# Altium PCB top_1.PcbDoc (part 4 of 5) (continued)
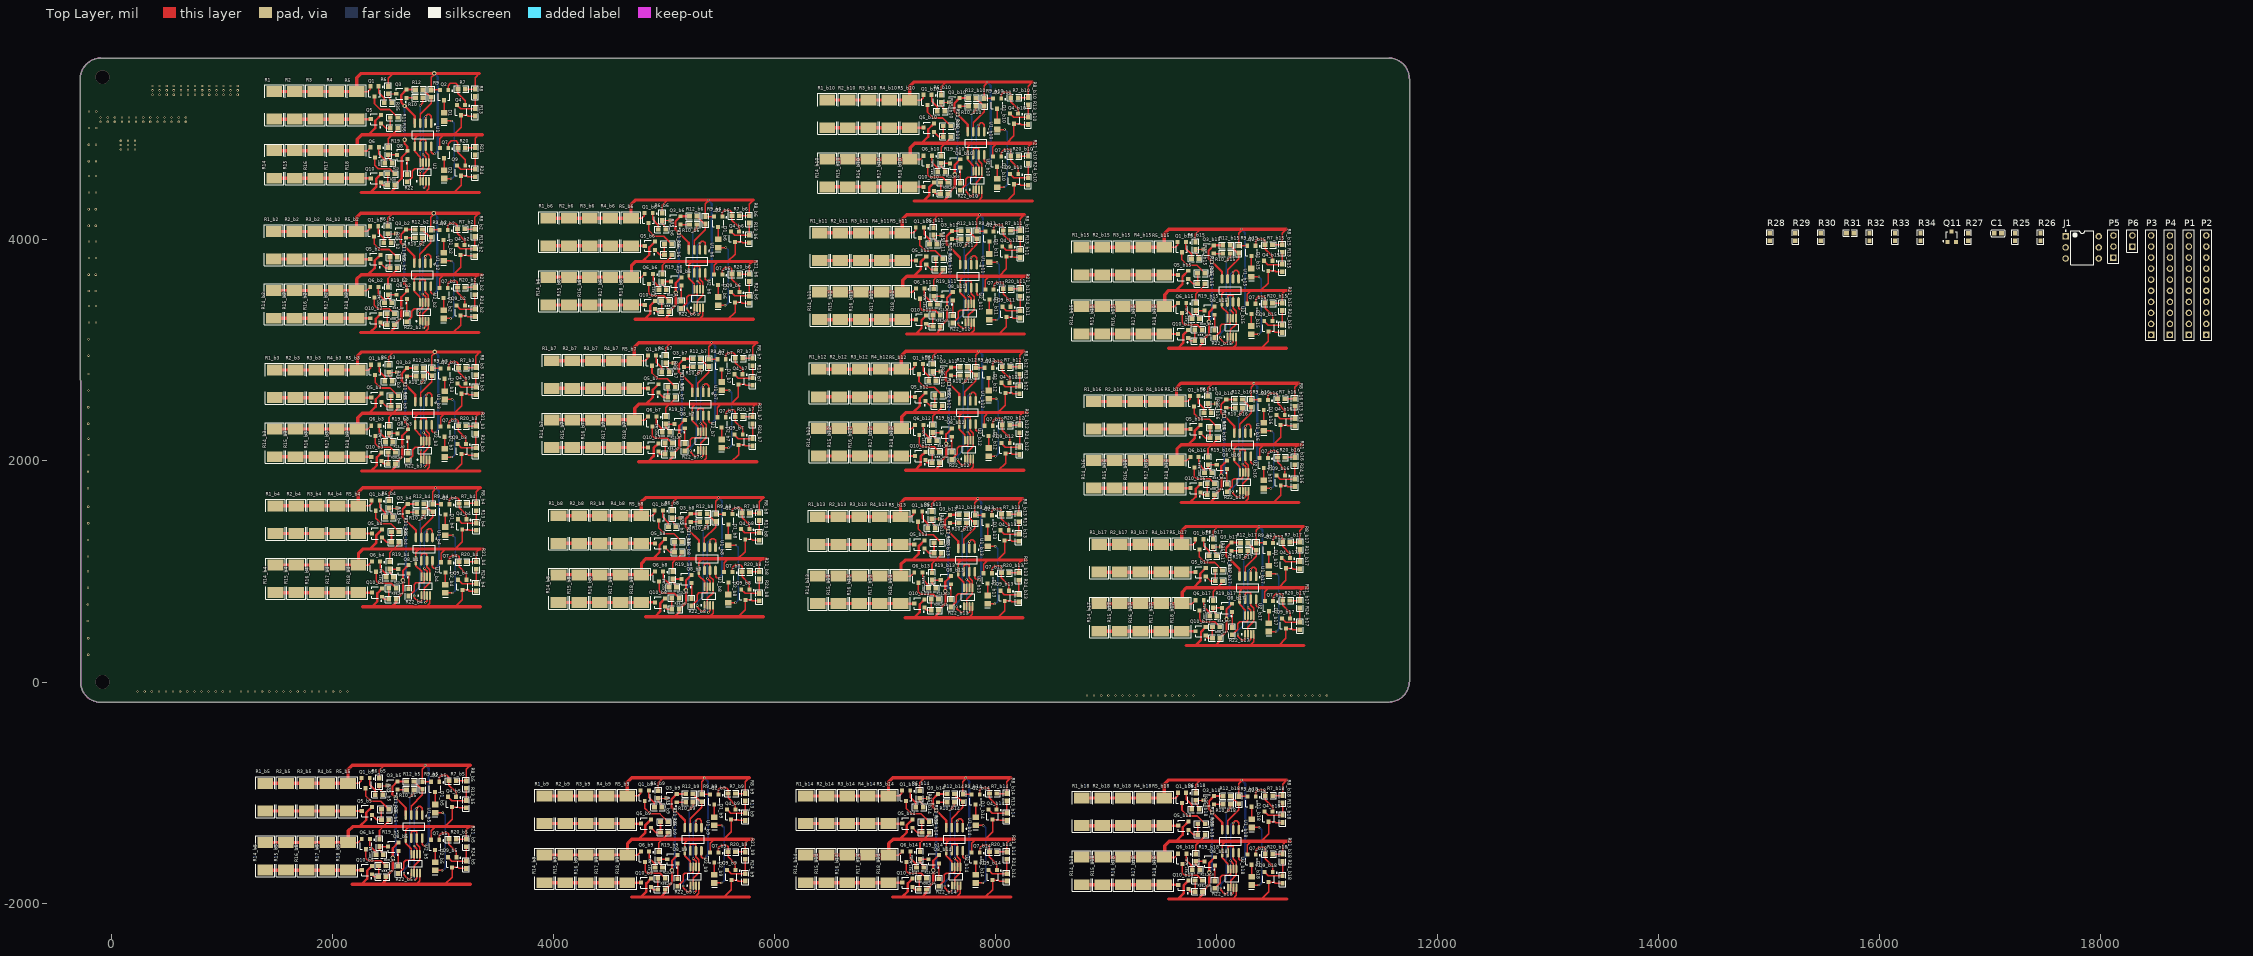
[diagram p0: Top Layer view]
## Nets (pads, with @x,y where several pads share a name; then routed paths per layer and width w, separated by ;. In a path a pad name is that pad's centre, name@x,y a point inside that pad or via, vN(x,y) a via of type N, cw(c..) or ccw(c..) an arc to the next point about the centre after c; other vN are vias at no path point) (continued)
  Top Layer w12: Q1_b12.1@7346.94,2877.72 7346.94,2818.53 7397.54,2767.93 R35_b12.2@7397.54,2727.46
NetQ1_b12_3: Q1_b12.3 R11_b12.2 | length 327.3
  Top Layer w15: Q1_b12.3@7309.54,2785.2 7309.54,2718.93 7361,2667.46 7447.46,2667.46 R11_b12.2@7519.46,2595.46
NetQ1_b13_1: Q1_b13.1 R35_b13.2 | length 171.2
  Top Layer w12: Q1_b13.1@7338.94,1542.72 7338.94,1483.53 7389.54,1432.93 R35_b13.2@7389.54,1392.46
NetQ1_b13_3: Q1_b13.3 R11_b13.2 | length 327.3
  Top Layer w15: Q1_b13.3@7301.54,1450.2 7301.54,1383.93 7353,1332.46 7439.46,1332.46 R11_b13.2@7511.46,1260.46
NetQ1_b14_1: Q1_b14.1 R35_b14.2 | length 171.2
  Top Layer w12: Q1_b14.1@7229.94,-983.28 7229.94,-1042.47 7280.54,-1093.07 R35_b14.2@7280.54,-1133.54
NetQ1_b14_3: Q1_b14.3 R11_b14.2 | length 327.3
  Top Layer w15: Q1_b14.3@7192.54,-1075.8 7192.54,-1142.07 7244,-1193.54 7330.46,-1193.54 R11_b14.2@7402.46,-1265.54
NetQ1_b15_1: Q1_b15.1 R35_b15.2 | length 171.2
  Top Layer w12: Q1_b15.1@9724.94,3981.72 9724.94,3922.53 9775.54,3871.93 R35_b15.2@9775.54,3831.46
NetQ1_b15_3: Q1_b15.3 R11_b15.2 | length 327.3
  Top Layer w15: Q1_b15.3@9687.54,3889.2 9687.54,3822.93 9739,3771.46 9825.46,3771.46 R11_b15.2@9897.46,3699.46
NetQ1_b16_1: Q1_b16.1 R35_b16.2 | length 171.2
  Top Layer w12: Q1_b16.1@9836.94,2586.72 9836.94,2527.53 9887.54,2476.93 R35_b16.2@9887.54,2436.46
NetQ1_b16_3: Q1_b16.3 R11_b16.2 | length 327.3
  Top Layer w15: Q1_b16.3@9799.54,2494.2 9799.54,2427.93 9851,2376.46 9937.46,2376.46 R11_b16.2@10009.46,2304.46
NetQ1_b17_1: Q1_b17.1 R35_b17.2 | length 171.2
  Top Layer w12: Q1_b17.1@9883.94,1291.72 9883.94,1232.53 9934.54,1181.93 R35_b17.2@9934.54,1141.46
NetQ1_b17_3: Q1_b17.3 R11_b17.2 | length 327.3
  Top Layer w15: Q1_b17.3@9846.54,1199.2 9846.54,1132.93 9898,1081.46 9984.46,1081.46 R11_b17.2@10056.46,1009.46
NetQ1_b18_1: Q1_b18.1 R35_b18.2 | length 171.2
  Top Layer w12: Q1_b18.1@9726.94,-1002.28 9726.94,-1061.47 9777.54,-1112.07 R35_b18.2@9777.54,-1152.54
NetQ1_b18_3: Q1_b18.3 R11_b18.2 | length 327.3
  Top Layer w15: Q1_b18.3@9689.54,-1094.8 9689.54,-1161.07 9741,-1212.54 9827.46,-1212.54 R11_b18.2@9899.46,-1284.54
NetQ2_1: Q2.1 Q4.1 R7.1 | length 346.7
  Top Layer w12: Q2.1@3049.4,5357.26 3049.4,5397.4 3068,5416 3119,5416 3136.54,5398.46 R7.1@3136.54,5365 3136.54,5326.66 3202.4,5260.79 Q4.1@3202.4,5221.26
NetQ2_b2_1: Q2_b2.1 Q4_b2.1 R7_b2.1 | length 346.7
  Top Layer w12: Q2_b2.1@3045.4,4091.26 3045.4,4131.4 3064,4150 3115,4150 3132.54,4132.46 R7_b2.1@3132.54,4099 3132.54,4060.66 3198.4,3994.79 Q4_b2.1@3198.4,3955.26
NetQ2_b3_1: Q2_b3.1 Q4_b3.1 R7_b3.1 | length 346.7
  Top Layer w12: Q2_b3.1@3054.4,2837.26 3054.4,2877.4 3073,2896 3124,2896 3141.54,2878.46 R7_b3.1@3141.54,2845 3141.54,2806.66 3207.4,2740.79 Q4_b3.1@3207.4,2701.26
NetQ2_b4_1: Q2_b4.1 Q4_b4.1 R7_b4.1 | length 346.7
  Top Layer w12: Q2_b4.1@3060.4,1608.26 3060.4,1648.4 3079,1667 3130,1667 3147.54,1649.46 R7_b4.1@3147.54,1616 3147.54,1577.66 3213.4,1511.79 Q4_b4.1@3213.4,1472.26
NetQ2_b5_1: Q2_b5.1 Q4_b5.1 R7_b5.1 | length 346.7
  Top Layer w12: Q2_b5.1@2968.4,-902.74 2968.4,-862.6 2987,-844 3038,-844 3055.54,-861.54 R7_b5.1@3055.54,-895 3055.54,-933.34 3121.4,-999.21 Q4_b5.1@3121.4,-1038.74
NetQ2_b6_1: Q2_b6.1 Q4_b6.1 R7_b6.1 | length 346.7
  Top Layer w12: Q2_b6.1@5529.4,4211.26 5529.4,4251.4 5548,4270 5599,4270 5616.54,4252.46 R7_b6.1@5616.54,4219 5616.54,4180.66 5682.4,4114.79 Q4_b6.1@5682.4,4075.26
NetQ2_b7_1: Q2_b7.1 Q4_b7.1 R7_b7.1 | length 346.7
  Top Layer w12: Q2_b7.1@5560.4,2921.26 5560.4,2961.4 5579,2980 5630,2980 5647.54,2962.46 R7_b7.1@5647.54,2929 5647.54,2890.66 5713.4,2824.79 Q4_b7.1@5713.4,2785.26
NetQ2_b8_1: Q2_b8.1 Q4_b8.1 R7_b8.1 | length 346.7
  Top Layer w12: Q2_b8.1@5621.4,1519.26 5621.4,1559.4 5640,1578 5691,1578 5708.54,1560.46 R7_b8.1@5708.54,1527 5708.54,1488.66 5774.4,1422.79 Q4_b8.1@5774.4,1383.26
NetQ2_b9_1: Q2_b9.1 Q4_b9.1 R7_b9.1 | length 346.7
  Top Layer w12: Q2_b9.1@5494.4,-1016.74 5494.4,-976.6 5513,-958 5564,-958 5581.54,-975.54 R7_b9.1@5581.54,-1009 5581.54,-1047.34 5647.4,-1113.21 Q4_b9.1@5647.4,-1152.74
NetQ2_b10_1: Q2_b10.1 Q4_b10.1 R7_b10.1 | length 346.7
  Top Layer w12: Q2_b10.1@8053.4,5280.26 8053.4,5320.4 8072,5339 8123,5339 8140.54,5321.46 R7_b10.1@8140.54,5288 8140.54,5249.66 8206.4,5183.79 Q4_b10.1@8206.4,5144.26
NetQ2_b11_1: Q2_b11.1 Q4_b11.1 R7_b11.1 | length 346.7
  Top Layer w12: Q2_b11.1@7984.4,4078.26 7984.4,4118.4 8003,4137 8054,4137 8071.54,4119.46 R7_b11.1@8071.54,4086 8071.54,4047.66 8137.4,3981.79 Q4_b11.1@8137.4,3942.26
NetQ2_b12_1: Q2_b12.1 Q4_b12.1 R7_b12.1 | length 346.7
  Top Layer w12: Q2_b12.1@7976.4,2844.26 7976.4,2884.4 7995,2903 8046,2903 8063.54,2885.46 R7_b12.1@8063.54,2852 8063.54,2813.66 8129.4,2747.79 Q4_b12.1@8129.4,2708.26
NetQ2_b13_1: Q2_b13.1 Q4_b13.1 R7_b13.1 | length 346.7
  Top Layer w12: Q2_b13.1@7968.4,1509.26 7968.4,1549.4 7987,1568 8038,1568 8055.54,1550.46 R7_b13.1@8055.54,1517 8055.54,1478.66 8121.4,1412.79 Q4_b13.1@8121.4,1373.26
NetQ2_b14_1: Q2_b14.1 Q4_b14.1 R7_b14.1 | length 346.7
  Top Layer w12: Q2_b14.1@7859.4,-1016.74 7859.4,-976.6 7878,-958 7929,-958 7946.54,-975.54 R7_b14.1@7946.54,-1009 7946.54,-1047.34 8012.4,-1113.21 Q4_b14.1@8012.4,-1152.74
NetQ2_b15_1: Q2_b15.1 Q4_b15.1 R7_b15.1 | length 346.7
  Top Layer w12: Q2_b15.1@10354.4,3948.26 10354.4,3988.4 10373,4007 10424,4007 10441.54,3989.46 R7_b15.1@10441.54,3956 10441.54,3917.66 10507.4,3851.79 Q4_b15.1@10507.4,3812.26
NetQ2_b16_1: Q2_b16.1 Q4_b16.1 R7_b16.1 | length 346.7
  Top Layer w12: Q2_b16.1@10466.4,2553.26 10466.4,2593.4 10485,2612 10536,2612 10553.54,2594.46 R7_b16.1@10553.54,2561 10553.54,2522.66 10619.4,2456.79 Q4_b16.1@10619.4,2417.26
NetQ2_b17_1: Q2_b17.1 Q4_b17.1 R7_b17.1 | length 346.7
  Top Layer w12: Q2_b17.1@10513.4,1258.26 10513.4,1298.4 10532,1317 10583,1317 10600.54,1299.46 R7_b17.1@10600.54,1266 10600.54,1227.66 10666.4,1161.79 Q4_b17.1@10666.4,1122.26
NetQ2_b18_1: Q2_b18.1 Q4_b18.1 R7_b18.1 | length 346.7
  Top Layer w12: Q2_b18.1@10356.4,-1035.74 10356.4,-995.6 10375,-977 10426,-977 10443.54,-994.54 R7_b18.1@10443.54,-1028 10443.54,-1066.34 10509.4,-1132.21 Q4_b18.1@10509.4,-1171.74
NetQ3_1: Q3.1 R10.1 | length 80.9
  Top Layer w12: Q3.1@2672.13,5286 R10.1@2753,5286
NetQ3_3: Q3.3 R6.1 R35.1 | length 169
  Top Layer w10: R35.1@2537.46,5240.46 2537.46,5262 2506.4,5293.06 2506.4,5323.4 Q3.3@2579.61,5323.4
NetQ3_b2_1: Q3_b2.1 R10_b2.1 | length 80.9
  Top Layer w12: Q3_b2.1@2668.13,4020 R10_b2.1@2749,4020
NetQ3_b2_3: Q3_b2.3 R6_b2.1 R35_b2.1 | length 169
  Top Layer w10: R35_b2.1@2533.46,3974.46 2533.46,3996 2502.4,4027.06 2502.4,4057.4 Q3_b2.3@2575.61,4057.4
NetQ3_b3_1: Q3_b3.1 R10_b3.1 | length 80.9
  Top Layer w12: Q3_b3.1@2677.13,2766 R10_b3.1@2758,2766
NetQ3_b3_3: Q3_b3.3 R6_b3.1 R35_b3.1 | length 169
  Top Layer w10: R35_b3.1@2542.46,2720.46 2542.46,2742 2511.4,2773.06 2511.4,2803.4 Q3_b3.3@2584.61,2803.4
NetQ3_b4_1: Q3_b4.1 R10_b4.1 | length 80.9
  Top Layer w12: Q3_b4.1@2683.13,1537 R10_b4.1@2764,1537
NetQ3_b4_3: Q3_b4.3 R6_b4.1 R35_b4.1 | length 169
  Top Layer w10: R35_b4.1@2548.46,1491.46 2548.46,1513 2517.4,1544.06 2517.4,1574.4 Q3_b4.3@2590.61,1574.4
NetQ3_b5_1: Q3_b5.1 R10_b5.1 | length 80.9
  Top Layer w12: Q3_b5.1@2591.13,-974 R10_b5.1@2672,-974
NetQ3_b5_3: Q3_b5.3 R6_b5.1 R35_b5.1 | length 169
  Top Layer w10: R35_b5.1@2456.46,-1019.54 2456.46,-998 2425.4,-966.94 2425.4,-936.6 Q3_b5.3@2498.61,-936.6
NetQ3_b6_1: Q3_b6.1 R10_b6.1 | length 80.9
  Top Layer w12: Q3_b6.1@5152.13,4140 R10_b6.1@5233,4140
NetQ3_b6_3: Q3_b6.3 R6_b6.1 R35_b6.1 | length 169
  Top Layer w10: R35_b6.1@5017.46,4094.46 5017.46,4116 4986.4,4147.06 4986.4,4177.4 Q3_b6.3@5059.61,4177.4
NetQ3_b7_1: Q3_b7.1 R10_b7.1 | length 80.9
  Top Layer w12: Q3_b7.1@5183.13,2850 R10_b7.1@5264,2850
NetQ3_b7_3: Q3_b7.3 R6_b7.1 R35_b7.1 | length 169
  Top Layer w10: R35_b7.1@5048.46,2804.46 5048.46,2826 5017.4,2857.06 5017.4,2887.4 Q3_b7.3@5090.61,2887.4
NetQ3_b8_1: Q3_b8.1 R10_b8.1 | length 80.9
  Top Layer w12: Q3_b8.1@5244.13,1448 R10_b8.1@5325,1448
NetQ3_b8_3: Q3_b8.3 R6_b8.1 R35_b8.1 | length 169
  Top Layer w10: R35_b8.1@5109.46,1402.46 5109.46,1424 5078.4,1455.06 5078.4,1485.4 Q3_b8.3@5151.61,1485.4
NetQ3_b9_1: Q3_b9.1 R10_b9.1 | length 80.9
  Top Layer w12: Q3_b9.1@5117.13,-1088 R10_b9.1@5198,-1088
NetQ3_b9_3: Q3_b9.3 R6_b9.1 R35_b9.1 | length 169
  Top Layer w10: R35_b9.1@4982.46,-1133.54 4982.46,-1112 4951.4,-1080.94 4951.4,-1050.6 Q3_b9.3@5024.61,-1050.6
NetQ3_b10_1: Q3_b10.1 R10_b10.1 | length 80.9
  Top Layer w12: Q3_b10.1@7676.13,5209 R10_b10.1@7757,5209
NetQ3_b10_3: Q3_b10.3 R6_b10.1 R35_b10.1 | length 169
  Top Layer w10: R35_b10.1@7541.46,5163.46 7541.46,5185 7510.4,5216.06 7510.4,5246.4 Q3_b10.3@7583.61,5246.4
NetQ3_b11_1: Q3_b11.1 R10_b11.1 | length 80.9
  Top Layer w12: Q3_b11.1@7607.13,4007 R10_b11.1@7688,4007
NetQ3_b11_3: Q3_b11.3 R6_b11.1 R35_b11.1 | length 169
  Top Layer w10: R35_b11.1@7472.46,3961.46 7472.46,3983 7441.4,4014.06 7441.4,4044.4 Q3_b11.3@7514.61,4044.4
NetQ3_b12_1: Q3_b12.1 R10_b12.1 | length 80.9
  Top Layer w12: Q3_b12.1@7599.13,2773 R10_b12.1@7680,2773
NetQ3_b12_3: Q3_b12.3 R6_b12.1 R35_b12.1 | length 169
  Top Layer w10: R35_b12.1@7464.46,2727.46 7464.46,2749 7433.4,2780.06 7433.4,2810.4 Q3_b12.3@7506.61,2810.4
NetQ3_b13_1: Q3_b13.1 R10_b13.1 | length 80.9
  Top Layer w12: Q3_b13.1@7591.13,1438 R10_b13.1@7672,1438
NetQ3_b13_3: Q3_b13.3 R6_b13.1 R35_b13.1 | length 169
  Top Layer w10: R35_b13.1@7456.46,1392.46 7456.46,1414 7425.4,1445.06 7425.4,1475.4 Q3_b13.3@7498.61,1475.4
NetQ3_b14_1: Q3_b14.1 R10_b14.1 | length 80.9
  Top Layer w12: Q3_b14.1@7482.13,-1088 R10_b14.1@7563,-1088
NetQ3_b14_3: Q3_b14.3 R6_b14.1 R35_b14.1 | length 169
  Top Layer w10: R35_b14.1@7347.46,-1133.54 7347.46,-1112 7316.4,-1080.94 7316.4,-1050.6 Q3_b14.3@7389.61,-1050.6
NetQ3_b15_1: Q3_b15.1 R10_b15.1 | length 80.9
  Top Layer w12: Q3_b15.1@9977.13,3877 R10_b15.1@10058,3877
NetQ3_b15_3: Q3_b15.3 R6_b15.1 R35_b15.1 | length 169
  Top Layer w10: R35_b15.1@9842.46,3831.46 9842.46,3853 9811.4,3884.06 9811.4,3914.4 Q3_b15.3@9884.61,3914.4
NetQ3_b16_1: Q3_b16.1 R10_b16.1 | length 80.9
  Top Layer w12: Q3_b16.1@10089.13,2482 R10_b16.1@10170,2482
NetQ3_b16_3: Q3_b16.3 R6_b16.1 R35_b16.1 | length 169
  Top Layer w10: R35_b16.1@9954.46,2436.46 9954.46,2458 9923.4,2489.06 9923.4,2519.4 Q3_b16.3@9996.61,2519.4
NetQ3_b17_1: Q3_b17.1 R10_b17.1 | length 80.9
  Top Layer w12: Q3_b17.1@10136.13,1187 R10_b17.1@10217,1187
NetQ3_b17_3: Q3_b17.3 R6_b17.1 R35_b17.1 | length 169
  Top Layer w10: R35_b17.1@10001.46,1141.46 10001.46,1163 9970.4,1194.06 9970.4,1224.4 Q3_b17.3@10043.61,1224.4
NetQ3_b18_1: Q3_b18.1 R10_b18.1 | length 80.9
  Top Layer w12: Q3_b18.1@9979.13,-1107 R10_b18.1@10060,-1107
NetQ3_b18_3: Q3_b18.3 R6_b18.1 R35_b18.1 | length 169
  Top Layer w10: R35_b18.1@9844.46,-1152.54 9844.46,-1131 9813.4,-1099.94 9813.4,-1069.6 Q3_b18.3@9886.61,-1069.6
NetQ4_2: Q4.2 R8.1 R13.2 | length 290.8
  Top Layer w12: Q4.2@3127.6,5221.26 3162.3,5186.56 3292,5186.56 R13.2@3292,5188.46 R8.1@3292,5298.54
NetQ4_b2_2: Q4_b2.2 R8_b2.1 R13_b2.2 | length 290.8
  Top Layer w12: Q4_b2.2@3123.6,3955.26 3158.3,3920.56 3288,3920.56 R13_b2.2@3288,3922.46 R8_b2.1@3288,4032.54
NetQ4_b3_2: Q4_b3.2 R8_b3.1 R13_b3.2 | length 290.8
  Top Layer w12: Q4_b3.2@3132.6,2701.26 3167.3,2666.56 3297,2666.56 R13_b3.2@3297,2668.46 R8_b3.1@3297,2778.54
NetQ4_b4_2: Q4_b4.2 R8_b4.1 R13_b4.2 | length 290.8
  Top Layer w12: Q4_b4.2@3138.6,1472.26 3173.3,1437.56 3303,1437.56 R13_b4.2@3303,1439.46 R8_b4.1@3303,1549.54
NetQ4_b5_2: Q4_b5.2 R8_b5.1 R13_b5.2 | length 290.8
  Top Layer w12: Q4_b5.2@3046.6,-1038.74 3081.3,-1073.44 3211,-1073.44 R13_b5.2@3211,-1071.54 R8_b5.1@3211,-961.46
NetQ4_b6_2: Q4_b6.2 R8_b6.1 R13_b6.2 | length 290.8
  Top Layer w12: Q4_b6.2@5607.6,4075.26 5642.3,4040.56 5772,4040.56 R13_b6.2@5772,4042.46 R8_b6.1@5772,4152.54
NetQ4_b7_2: Q4_b7.2 R8_b7.1 R13_b7.2 | length 290.8
  Top Layer w12: Q4_b7.2@5638.6,2785.26 5673.3,2750.56 5803,2750.56 R13_b7.2@5803,2752.46 R8_b7.1@5803,2862.54
NetQ4_b8_2: Q4_b8.2 R8_b8.1 R13_b8.2 | length 290.8
  Top Layer w12: Q4_b8.2@5699.6,1383.26 5734.3,1348.56 5864,1348.56 R13_b8.2@5864,1350.46 R8_b8.1@5864,1460.54
NetQ4_b9_2: Q4_b9.2 R8_b9.1 R13_b9.2 | length 290.8
  Top Layer w12: Q4_b9.2@5572.6,-1152.74 5607.3,-1187.44 5737,-1187.44 R13_b9.2@5737,-1185.54 R8_b9.1@5737,-1075.46
NetQ4_b10_2: Q4_b10.2 R8_b10.1 R13_b10.2 | length 290.8
  Top Layer w12: Q4_b10.2@8131.6,5144.26 8166.3,5109.56 8296,5109.56 R13_b10.2@8296,5111.46 R8_b10.1@8296,5221.54
NetQ4_b11_2: Q4_b11.2 R8_b11.1 R13_b11.2 | length 290.8
  Top Layer w12: Q4_b11.2@8062.6,3942.26 8097.3,3907.56 8227,3907.56 R13_b11.2@8227,3909.46 R8_b11.1@8227,4019.54
NetQ4_b12_2: Q4_b12.2 R8_b12.1 R13_b12.2 | length 290.8
  Top Layer w12: Q4_b12.2@8054.6,2708.26 8089.3,2673.56 8219,2673.56 R13_b12.2@8219,2675.46 R8_b12.1@8219,2785.54
NetQ4_b13_2: Q4_b13.2 R8_b13.1 R13_b13.2 | length 290.8
  Top Layer w12: Q4_b13.2@8046.6,1373.26 8081.3,1338.56 8211,1338.56 R13_b13.2@8211,1340.46 R8_b13.1@8211,1450.54
NetQ4_b14_2: Q4_b14.2 R8_b14.1 R13_b14.2 | length 290.8
  Top Layer w12: Q4_b14.2@7937.6,-1152.74 7972.3,-1187.44 8102,-1187.44 R13_b14.2@8102,-1185.54 R8_b14.1@8102,-1075.46
NetQ4_b15_2: Q4_b15.2 R8_b15.1 R13_b15.2 | length 290.8
  Top Layer w12: Q4_b15.2@10432.6,3812.26 10467.3,3777.56 10597,3777.56 R13_b15.2@10597,3779.46 R8_b15.1@10597,3889.54
NetQ4_b16_2: Q4_b16.2 R8_b16.1 R13_b16.2 | length 290.8
  Top Layer w12: Q4_b16.2@10544.6,2417.26 10579.3,2382.56 10709,2382.56 R13_b16.2@10709,2384.46 R8_b16.1@10709,2494.54
NetQ4_b17_2: Q4_b17.2 R8_b17.1 R13_b17.2 | length 290.8
  Top Layer w12: Q4_b17.2@10591.6,1122.26 10626.3,1087.56 10756,1087.56 R13_b17.2@10756,1089.46 R8_b17.1@10756,1199.54
NetQ4_b18_2: Q4_b18.2 R8_b18.1 R13_b18.2 | length 290.8
  Top Layer w12: Q4_b18.2@10434.6,-1171.74 10469.3,-1206.44 10599,-1206.44 R13_b18.2@10599,-1204.54 R8_b18.1@10599,-1094.46
NetQ5_1: Q5.1 R11.1 R36.2 | length 199.1
  Top Layer w15: Q5.1@2440.26,5055.6 2483.39,5012.46 R36.2@2525.54,5012.46 R11.1@2525.54,5108.46
NetQ5_3: Q5.3 R1.1 R2.1 R3.1 R4.1 R5.1 | length 872.7
  Top Layer w22: R5.1@2223,5093 Q5.3@2347.74,5093
  Top Layer w30: R1.1@1475,5093 R2.1@1662,5093 R3.1@1849,5093 R4.1@2036,5093 R5.1@2223,5093
NetQ5_b2_1: Q5_b2.1 R11_b2.1 R36_b2.2 | length 199.1
  Top Layer w15: Q5_b2.1@2436.26,3789.6 2479.39,3746.46 R36_b2.2@2521.54,3746.46 R11_b2.1@2521.54,3842.46
NetQ5_b2_3: Q5_b2.3 R1_b2.1 R2_b2.1 R3_b2.1 R4_b2.1 R5_b2.1 | length 872.7
  Top Layer w22: R5_b2.1@2219,3827 Q5_b2.3@2343.74,3827
  Top Layer w30: R1_b2.1@1471,3827 R2_b2.1@1658,3827 R3_b2.1@1845,3827 R4_b2.1@2032,3827 R5_b2.1@2219,3827
NetQ5_b3_1: Q5_b3.1 R11_b3.1 R36_b3.2 | length 199.1
  Top Layer w15: Q5_b3.1@2445.26,2535.6 2488.39,2492.46 R36_b3.2@2530.54,2492.46 R11_b3.1@2530.54,2588.46
NetQ5_b3_3: Q5_b3.3 R1_b3.1 R2_b3.1 R3_b3.1 R4_b3.1 R5_b3.1 | length 872.7
  Top Layer w22: R5_b3.1@2228,2573 Q5_b3.3@2352.74,2573
  Top Layer w30: R1_b3.1@1480,2573 R2_b3.1@1667,2573 R3_b3.1@1854,2573 R4_b3.1@2041,2573 R5_b3.1@2228,2573
NetQ5_b4_1: Q5_b4.1 R11_b4.1 R36_b4.2 | length 199.1
  Top Layer w15: Q5_b4.1@2451.26,1306.6 2494.39,1263.46 R36_b4.2@2536.54,1263.46 R11_b4.1@2536.54,1359.46
NetQ5_b4_3: Q5_b4.3 R1_b4.1 R2_b4.1 R3_b4.1 R4_b4.1 R5_b4.1 | length 872.7
  Top Layer w22: R5_b4.1@2234,1344 Q5_b4.3@2358.74,1344
  Top Layer w30: R1_b4.1@1486,1344 R2_b4.1@1673,1344 R3_b4.1@1860,1344 R4_b4.1@2047,1344 R5_b4.1@2234,1344
NetQ5_b5_1: Q5_b5.1 R11_b5.1 R36_b5.2 | length 199.1
  Top Layer w15: Q5_b5.1@2359.26,-1204.4 2402.39,-1247.54 R36_b5.2@2444.54,-1247.54 R11_b5.1@2444.54,-1151.54
NetQ5_b5_3: Q5_b5.3 R1_b5.1 R2_b5.1 R3_b5.1 R4_b5.1 R5_b5.1 | length 872.7
  Top Layer w22: R5_b5.1@2142,-1167 Q5_b5.3@2266.74,-1167
  Top Layer w30: R1_b5.1@1394,-1167 R2_b5.1@1581,-1167 R3_b5.1@1768,-1167 R4_b5.1@1955,-1167 R5_b5.1@2142,-1167
NetQ5_b6_1: Q5_b6.1 R11_b6.1 R36_b6.2 | length 199.1
  Top Layer w15: Q5_b6.1@4920.26,3909.6 4963.39,3866.46 R36_b6.2@5005.54,3866.46 R11_b6.1@5005.54,3962.46
NetQ5_b6_3: Q5_b6.3 R1_b6.1 R2_b6.1 R3_b6.1 R4_b6.1 R5_b6.1 | length 872.7
  Top Layer w22: R5_b6.1@4703,3947 Q5_b6.3@4827.74,3947
  Top Layer w30: R1_b6.1@3955,3947 R2_b6.1@4142,3947 R3_b6.1@4329,3947 R4_b6.1@4516,3947 R5_b6.1@4703,3947
NetQ5_b7_1: Q5_b7.1 R11_b7.1 R36_b7.2 | length 199.1
  Top Layer w15: Q5_b7.1@4951.26,2619.6 4994.39,2576.46 R36_b7.2@5036.54,2576.46 R11_b7.1@5036.54,2672.46
NetQ5_b7_3: Q5_b7.3 R1_b7.1 R2_b7.1 R3_b7.1 R4_b7.1 R5_b7.1 | length 872.7
  Top Layer w22: R5_b7.1@4734,2657 Q5_b7.3@4858.74,2657
  Top Layer w30: R1_b7.1@3986,2657 R2_b7.1@4173,2657 R3_b7.1@4360,2657 R4_b7.1@4547,2657 R5_b7.1@4734,2657
NetQ5_b8_1: Q5_b8.1 R11_b8.1 R36_b8.2 | length 199.1
  Top Layer w15: Q5_b8.1@5012.26,1217.6 5055.39,1174.46 R36_b8.2@5097.54,1174.46 R11_b8.1@5097.54,1270.46
NetQ5_b8_3: Q5_b8.3 R1_b8.1 R2_b8.1 R3_b8.1 R4_b8.1 R5_b8.1 | length 872.7
  Top Layer w22: R5_b8.1@4795,1255 Q5_b8.3@4919.74,1255
  Top Layer w30: R1_b8.1@4047,1255 R2_b8.1@4234,1255 R3_b8.1@4421,1255 R4_b8.1@4608,1255 R5_b8.1@4795,1255
NetQ5_b9_1: Q5_b9.1 R11_b9.1 R36_b9.2 | length 199.1
  Top Layer w15: Q5_b9.1@4885.26,-1318.4 4928.39,-1361.54 R36_b9.2@4970.54,-1361.54 R11_b9.1@4970.54,-1265.54
NetQ5_b9_3: Q5_b9.3 R1_b9.1 R2_b9.1 R3_b9.1 R4_b9.1 R5_b9.1 | length 872.7
  Top Layer w22: R5_b9.1@4668,-1281 Q5_b9.3@4792.74,-1281
  Top Layer w30: R1_b9.1@3920,-1281 R2_b9.1@4107,-1281 R3_b9.1@4294,-1281 R4_b9.1@4481,-1281 R5_b9.1@4668,-1281
NetQ5_b10_1: Q5_b10.1 R11_b10.1 R36_b10.2 | length 199.1
  Top Layer w15: Q5_b10.1@7444.26,4978.6 7487.39,4935.46 R36_b10.2@7529.54,4935.46 R11_b10.1@7529.54,5031.46
NetQ5_b10_3: Q5_b10.3 R1_b10.1 R2_b10.1 R3_b10.1 R4_b10.1 R5_b10.1 | length 872.7
  Top Layer w22: R5_b10.1@7227,5016 Q5_b10.3@7351.74,5016
  Top Layer w30: R1_b10.1@6479,5016 R2_b10.1@6666,5016 R3_b10.1@6853,5016 R4_b10.1@7040,5016 R5_b10.1@7227,5016
NetQ5_b11_1: Q5_b11.1 R11_b11.1 R36_b11.2 | length 199.1
  Top Layer w15: Q5_b11.1@7375.26,3776.6 7418.39,3733.46 R36_b11.2@7460.54,3733.46 R11_b11.1@7460.54,3829.46
NetQ5_b11_3: Q5_b11.3 R1_b11.1 R2_b11.1 R3_b11.1 R4_b11.1 R5_b11.1 | length 872.7
  Top Layer w22: R5_b11.1@7158,3814 Q5_b11.3@7282.74,3814
  Top Layer w30: R1_b11.1@6410,3814 R2_b11.1@6597,3814 R3_b11.1@6784,3814 R4_b11.1@6971,3814 R5_b11.1@7158,3814
NetQ5_b12_1: Q5_b12.1 R11_b12.1 R36_b12.2 | length 199.1
  Top Layer w15: Q5_b12.1@7367.26,2542.6 7410.39,2499.46 R36_b12.2@7452.54,2499.46 R11_b12.1@7452.54,2595.46
NetQ5_b12_3: Q5_b12.3 R1_b12.1 R2_b12.1 R3_b12.1 R4_b12.1 R5_b12.1 | length 872.7
  Top Layer w22: R5_b12.1@7150,2580 Q5_b12.3@7274.74,2580
  Top Layer w30: R1_b12.1@6402,2580 R2_b12.1@6589,2580 R3_b12.1@6776,2580 R4_b12.1@6963,2580 R5_b12.1@7150,2580
NetQ5_b13_1: Q5_b13.1 R11_b13.1 R36_b13.2 | length 199.1
  Top Layer w15: Q5_b13.1@7359.26,1207.6 7402.39,1164.46 R36_b13.2@7444.54,1164.46 R11_b13.1@7444.54,1260.46
NetQ5_b13_3: Q5_b13.3 R1_b13.1 R2_b13.1 R3_b13.1 R4_b13.1 R5_b13.1 | length 872.7
  Top Layer w22: R5_b13.1@7142,1245 Q5_b13.3@7266.74,1245
  Top Layer w30: R1_b13.1@6394,1245 R2_b13.1@6581,1245 R3_b13.1@6768,1245 R4_b13.1@6955,1245 R5_b13.1@7142,1245
NetQ5_b14_1: Q5_b14.1 R11_b14.1 R36_b14.2 | length 199.1
  Top Layer w15: Q5_b14.1@7250.26,-1318.4 7293.39,-1361.54 R36_b14.2@7335.54,-1361.54 R11_b14.1@7335.54,-1265.54
NetQ5_b14_3: Q5_b14.3 R1_b14.1 R2_b14.1 R3_b14.1 R4_b14.1 R5_b14.1 | length 872.7
  Top Layer w22: R5_b14.1@7033,-1281 Q5_b14.3@7157.74,-1281
  Top Layer w30: R1_b14.1@6285,-1281 R2_b14.1@6472,-1281 R3_b14.1@6659,-1281 R4_b14.1@6846,-1281 R5_b14.1@7033,-1281
NetQ5_b15_1: Q5_b15.1 R11_b15.1 R36_b15.2 | length 199.1
  Top Layer w15: Q5_b15.1@9745.26,3646.6 9788.39,3603.46 R36_b15.2@9830.54,3603.46 R11_b15.1@9830.54,3699.46
NetQ5_b15_3: Q5_b15.3 R1_b15.1 R2_b15.1 R3_b15.1 R4_b15.1 R5_b15.1 | length 872.7
  Top Layer w22: R5_b15.1@9528,3684 Q5_b15.3@9652.74,3684
  Top Layer w30: R1_b15.1@8780,3684 R2_b15.1@8967,3684 R3_b15.1@9154,3684 R4_b15.1@9341,3684 R5_b15.1@9528,3684
NetQ5_b16_1: Q5_b16.1 R11_b16.1 R36_b16.2 | length 199.1
  Top Layer w15: Q5_b16.1@9857.26,2251.6 9900.39,2208.46 R36_b16.2@9942.54,2208.46 R11_b16.1@9942.54,2304.46
NetQ5_b16_3: Q5_b16.3 R1_b16.1 R2_b16.1 R3_b16.1 R4_b16.1 R5_b16.1 | length 872.7
  Top Layer w22: R5_b16.1@9640,2289 Q5_b16.3@9764.74,2289
  Top Layer w30: R1_b16.1@8892,2289 R2_b16.1@9079,2289 R3_b16.1@9266,2289 R4_b16.1@9453,2289 R5_b16.1@9640,2289
NetQ5_b17_1: Q5_b17.1 R11_b17.1 R36_b17.2 | length 199.1
  Top Layer w15: Q5_b17.1@9904.26,956.6 9947.39,913.46 R36_b17.2@9989.54,913.46 R11_b17.1@9989.54,1009.46
NetQ5_b17_3: Q5_b17.3 R1_b17.1 R2_b17.1 R3_b17.1 R4_b17.1 R5_b17.1 | length 872.7
  Top Layer w22: R5_b17.1@9687,994 Q5_b17.3@9811.74,994
  Top Layer w30: R1_b17.1@8939,994 R2_b17.1@9126,994 R3_b17.1@9313,994 R4_b17.1@9500,994 R5_b17.1@9687,994
NetQ5_b18_1: Q5_b18.1 R11_b18.1 R36_b18.2 | length 199.1
  Top Layer w15: Q5_b18.1@9747.26,-1337.4 9790.39,-1380.54 R36_b18.2@9832.54,-1380.54 R11_b18.1@9832.54,-1284.54
NetQ5_b18_3: Q5_b18.3 R1_b18.1 R2_b18.1 R3_b18.1 R4_b18.1 R5_b18.1 | length 872.7
  Top Layer w22: R5_b18.1@9530,-1300 Q5_b18.3@9654.74,-1300
  Top Layer w30: R1_b18.1@8782,-1300 R2_b18.1@8969,-1300 R3_b18.1@9156,-1300 R4_b18.1@9343,-1300 R5_b18.1@9530,-1300
NetQ6_1: Q6.1 R37.2 | length 165.8
  Top Layer w12: Q6.1@2422.4,4839.26 2422.4,4778.06 2475.54,4724.93 R37.2@2475.54,4695.46
NetQ6_3: Q6.3 R23.2 | length 286.9
  Top Layer w12: Q6.3@2385,4746.74 2385,4674 2415.54,4643.46 2521.46,4643.46 R23.2@2567.46,4597.46
NetQ6_b2_1: Q6_b2.1 R37_b2.2 | length 165.8
  Top Layer w12: Q6_b2.1@2418.4,3573.26 2418.4,3512.06 2471.54,3458.93 R37_b2.2@2471.54,3429.46
NetQ6_b2_3: Q6_b2.3 R23_b2.2 | length 286.9
  Top Layer w12: Q6_b2.3@2381,3480.74 2381,3408 2411.54,3377.46 2517.46,3377.46 R23_b2.2@2563.46,3331.46
NetQ6_b3_1: Q6_b3.1 R37_b3.2 | length 165.8
  Top Layer w12: Q6_b3.1@2427.4,2319.26 2427.4,2258.06 2480.54,2204.93 R37_b3.2@2480.54,2175.46
NetQ6_b3_3: Q6_b3.3 R23_b3.2 | length 286.9
  Top Layer w12: Q6_b3.3@2390,2226.74 2390,2154 2420.54,2123.46 2526.46,2123.46 R23_b3.2@2572.46,2077.46
NetQ6_b4_1: Q6_b4.1 R37_b4.2 | length 165.8
  Top Layer w12: Q6_b4.1@2433.4,1090.26 2433.4,1029.06 2486.54,975.93 R37_b4.2@2486.54,946.46
NetQ6_b4_3: Q6_b4.3 R23_b4.2 | length 293.1
  Top Layer w12: Q6_b4.3@2396,997.74 2396,914.46 2416,894.46 2532.46,894.46 R23_b4.2@2578.46,848.46
NetQ6_b5_1: Q6_b5.1 R37_b5.2 | length 165.8
  Top Layer w12: Q6_b5.1@2341.4,-1420.74 2341.4,-1481.94 2394.54,-1535.07 R37_b5.2@2394.54,-1564.54
NetQ6_b5_3: Q6_b5.3 R23_b5.2 | length 293.1
  Top Layer w12: Q6_b5.3@2304,-1513.26 2304,-1596.54 2324,-1616.54 2440.46,-1616.54 R23_b5.2@2486.46,-1662.54
NetQ6_b6_1: Q6_b6.1 R37_b6.2 | length 165.8
  Top Layer w12: Q6_b6.1@4902.4,3693.26 4902.4,3632.06 4955.54,3578.93 R37_b6.2@4955.54,3549.46
NetQ6_b6_3: Q6_b6.3 R23_b6.2 | length 293.1
  Top Layer w12: Q6_b6.3@4865,3600.74 4865,3517.46 4885,3497.46 5001.46,3497.46 R23_b6.2@5047.46,3451.46
NetQ6_b7_1: Q6_b7.1 R37_b7.2 | length 165.8
  Top Layer w12: Q6_b7.1@4933.4,2403.26 4933.4,2342.06 4986.54,2288.93 R37_b7.2@4986.54,2259.46
NetQ6_b7_3: Q6_b7.3 R23_b7.2 | length 293.1
  Top Layer w12: Q6_b7.3@4896,2310.74 4896,2227.46 4916,2207.46 5032.46,2207.46 R23_b7.2@5078.46,2161.46
NetQ6_b8_1: Q6_b8.1 R37_b8.2 | length 165.8
  Top Layer w12: Q6_b8.1@4994.4,1001.26 4994.4,940.06 5047.54,886.93 R37_b8.2@5047.54,857.46
NetQ6_b8_3: Q6_b8.3 R23_b8.2 | length 293.1
  Top Layer w12: Q6_b8.3@4957,908.74 4957,825.46 4977,805.46 5093.46,805.46 R23_b8.2@5139.46,759.46